# Altium PCB 0416.PcbDoc (part 1 of 3) (continued)
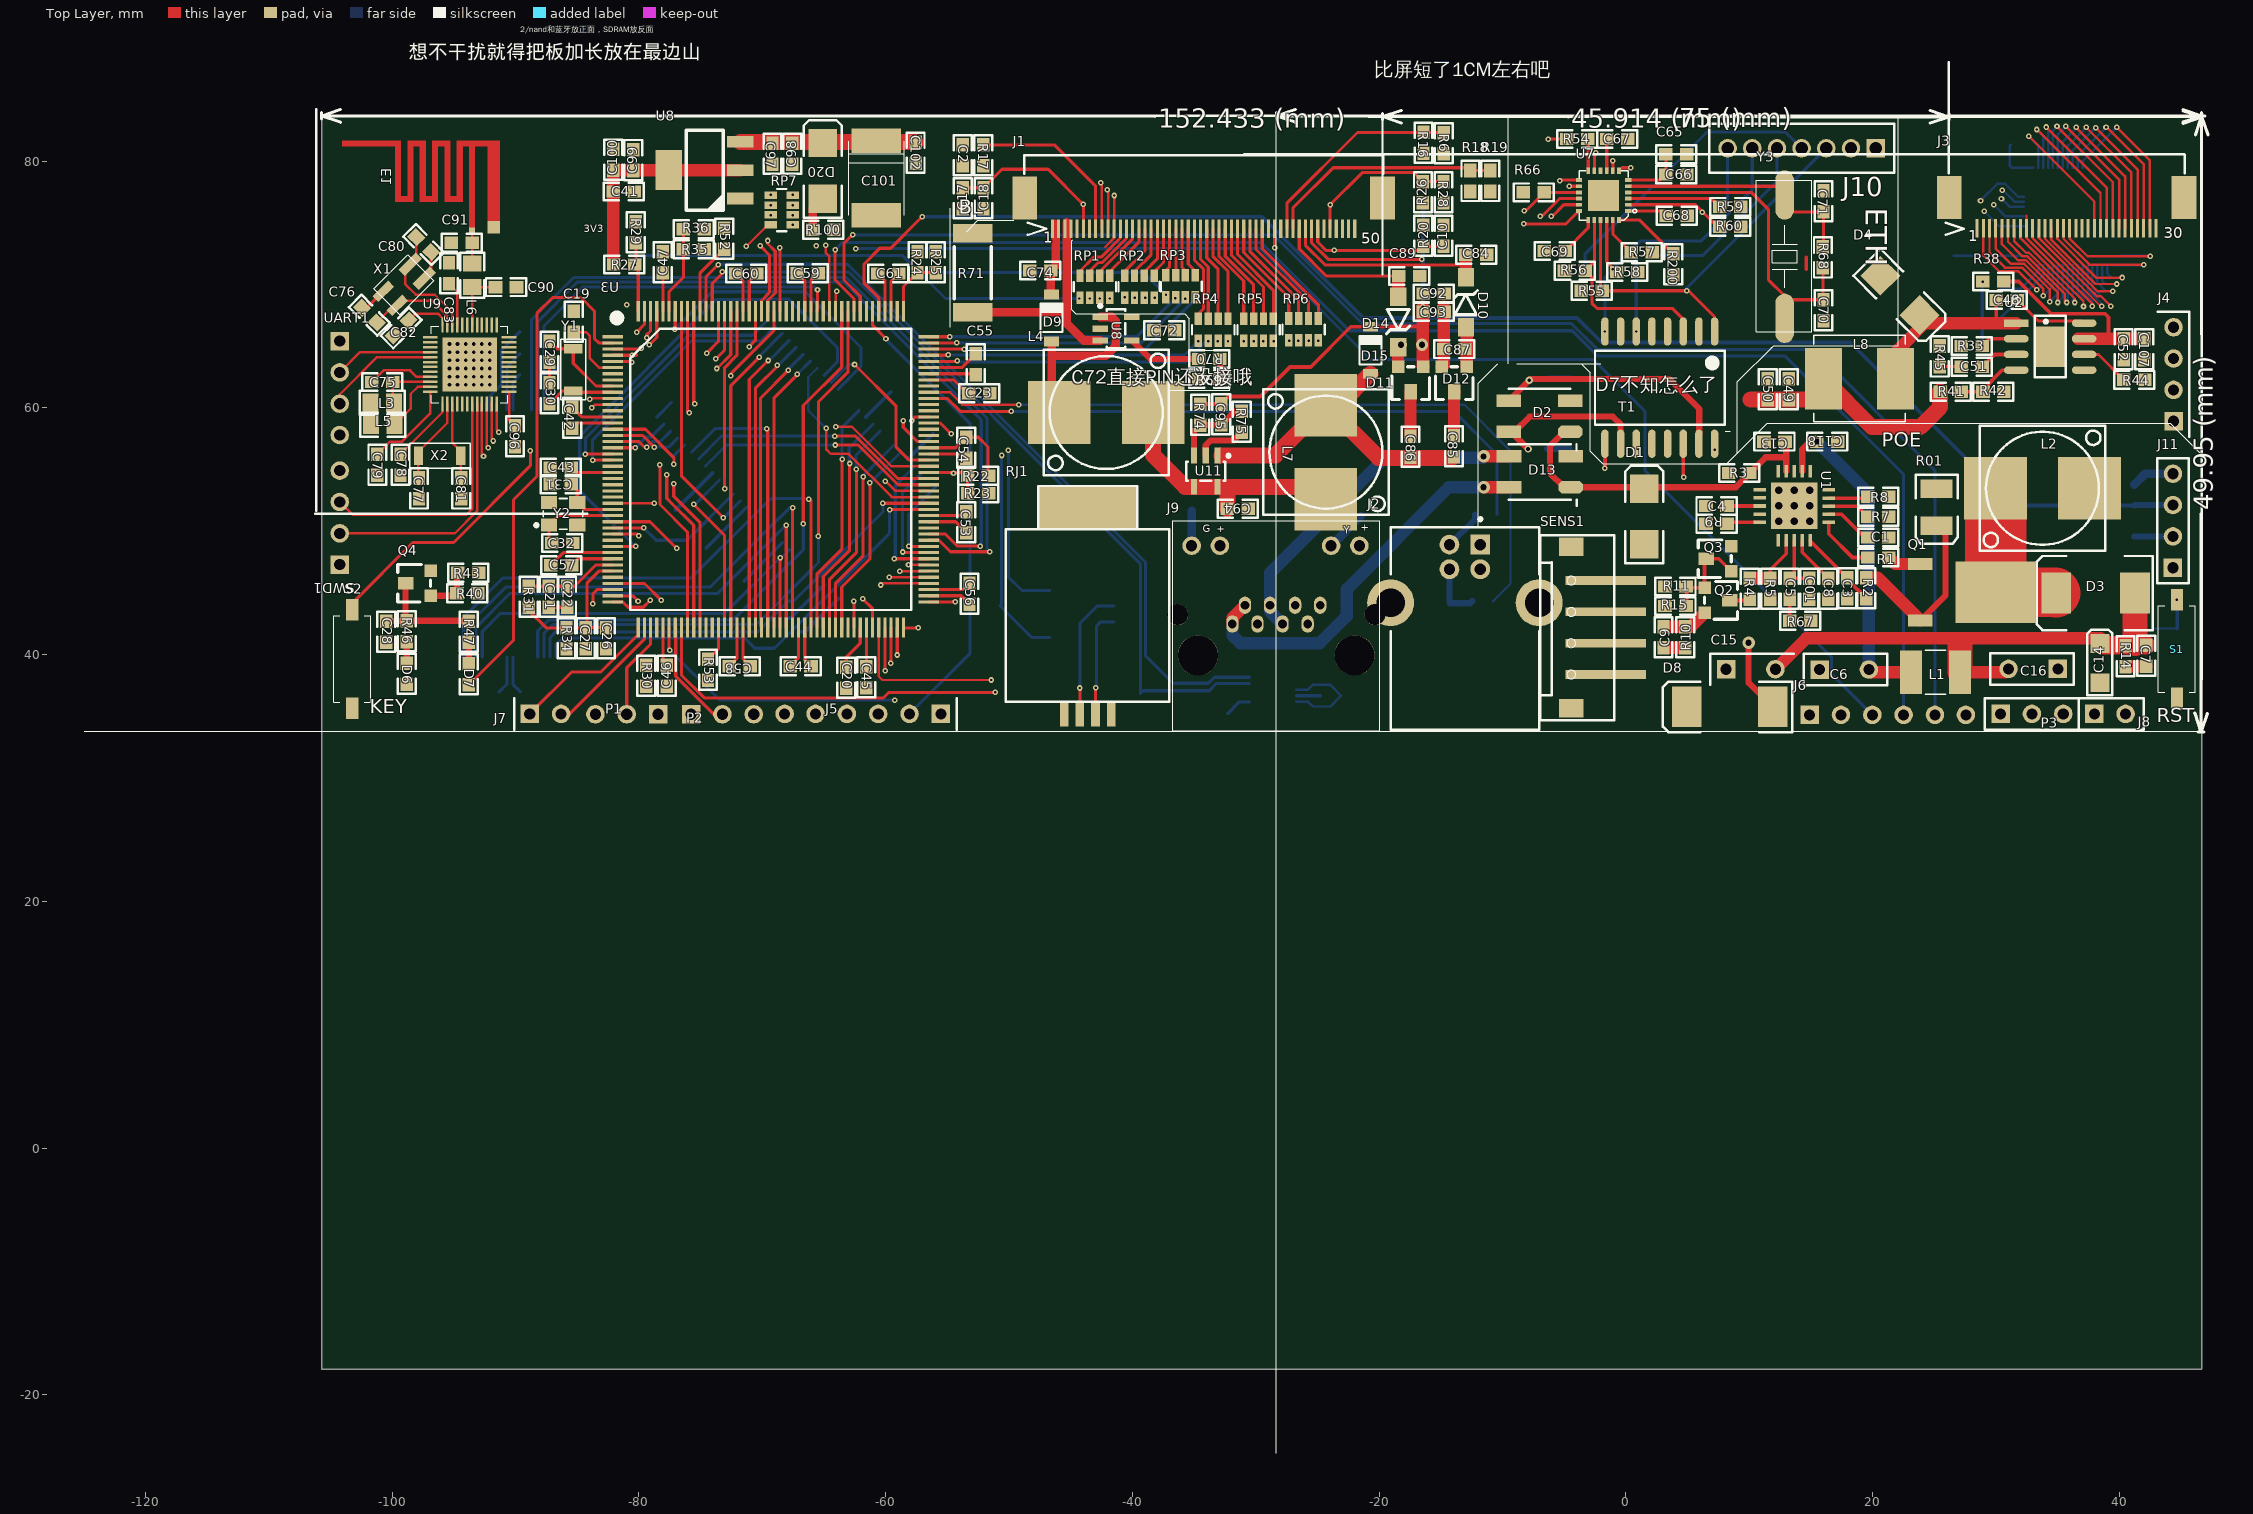
[diagram p0: Top Layer view]
## Components (designator, comment, footprint, x,y, rotation, side; value= is the part's Value field where it differs from the comment)
C01 "55PF" 0603T 14.875,46.2 r270 top
C1 "0.33UF" 0603T 19.625,49.5 r0 top
C2 "104" 0603T -53.75,81.325 r270 top
C3 "27PF" 0603T 17.95,46.225 r270 top
C4 "104" 0603T 8.2,52.05 r180 top
C5 "20PF" 0603T 13.275,46.2 r270 top
C6 "22UF/63V" CAP-SIP 15.7,38.8 r0 top
C7 "2K" 0603T 42.175,39.05 r90 top (schematic designator C7的标号接了个R)
C8 "180NF" 0603T 16.4,46.2 r270 top
C9 "104NC" 0603T 3.05,40.575 r90 top
C10 "104" 0603T -14.775,74.8 r270 top
C11 "104" 0603T -6.275,62.375 r180 bottom
C12 "104" 0603T -6.375,56.7 r180 bottom
C13 "104" 0603T 12.9,57.275 r180 top
C14 "1NF" 1206 38.425,39.375 r90 top
C15 "100UF/16V" CAP-SIP 8.125,38.825 r0 top
C16 "22UF/63V" CAP-SIP 35.025,38.85 r180 top
C17 "105" 0603T -53.75,76.15 r90 top
C18 "104" 0603T -52.075,76.15 r90 top
C19 "104" 0603T -85.275,66.15 r90 top
C20 "225" 0603T -63.2,37.275 r90 top
C21 "104" 0603T -87.3,43.85 r90 top
C22 "225" 0603T -85.825,43.85 r90 top
C23 "225" 0603T -51.55,61.2 r180 top
C24 "104" 0603T -89.625,37 r180 bottom
C25 "104" 0603T -89.65,62.7 r90 bottom
C26 "10uF" 0603T -82.675,40.5 r90 top
C27 "104" 0603T -84.3,40.475 r90 top
C28 "104" 0603T -100.475,41.025 r90 top
C29 "6PF" 0603T -87.25,65.425 r270 top
C30 "6PF" 0603T -87.25,60.35 r90 top
C31 "22PF" 0603T -85.5,53.825 r180 top
C32 "22PF" 0603T -85.375,49.05 r180 top
C33 "1uF/10V" 1206 29.675,81.325 r0 bottom
C34 "104" 0603T -67.85,40.5 r45 bottom
C35 "104" 0603T -69.15,41.75 r45 bottom
C36 "104" 0603T -72.725,44.8 r45 bottom
C37 "104" 0603T -75.75,47.45 r45 bottom
C38 "104" 0603T -77.9,61.775 r225 bottom
C39 "104" 0603T -58.375,62.575 r225 bottom
C40 "104" 0603T -54.9,59.125 r225 bottom
C41 "106" 0603T -82.075,77.55 r0 top
C42 "104" 0603T -85.4,60.05 r270 top
C43 "104" 0603T -87.175,55.175 r0 top
C44 "104" 0603T -67.75,39.075 r0 top
C45 "104" 0603T -61.575,37.325 r90 top
C46 "104" 0603T -77.75,37.45 r90 top
C47 "104" 0603T -78.075,72.65 r270 top
C48 "104" 0603T 31.725,68.75 r180 top
C49 "106" 0603T 13.2,62.375 r270 top
C50 "104" 0603T 11.5,62.375 r270 top
C51 "220P" 0603T 27.2,63.35 r0 top
C52 "104" 0603T 40.35,63.925 r90 top
C53 "104" 0603T -53.456,49.9 r90 top
C54 "104" 0603T -53.456,55.925 r90 top
C55 "104" 0603T -52.7,62.7 r90 top
C56 "104" 0603T -53.2,44.1 r90 top
C57 "104" 0603T -85.45,47.25 r180 top
C58 "104" 0603T -72.675,39.075 r0 top
C59 "104" 0603T -65.475,70.925 r180 top
C60 "104" 0603T -70.45,70.9 r180 top
C61 "104" 0603T -58.95,70.9 r180 top
C62 "1uF/10V" 1206 26.6,73.875 r270 bottom
C63 "1uF/10V" 1206 28.9,67.325 r0 bottom
C64 "1uF/10V" 1206 28.875,69.65 r0 bottom
C65 "104" 0603T 4.925,80.575 r180 top
C66 "106" 0603T 4.95,78.925 r180 top
C67 "104" 0603T 0.15,81.8 r180 top
C68 "104" 0603T 4.975,75.575 r180 top
C69 "104" 0603T -6.625,72.725 r0 top
C70 "22pF" 0603T 16.025,68.775 r270 top
C71 "22pF" 0603T 16.025,75.9 r90 top
C72 "106" 0603T -36.55,66.3 r180 top
C74 "105" 0603T -48.325,71.15 r0 top
C75 "1.0uF" 0603T -101.65,62.1 r0 top
C76 "12pF" 0603T -101.25,66.925 r135 top
C77 "12pF" 0603T -97.825,54.325 r270 top
C78 "100nF" 0603T -99.325,56.25 r270 top
C79 "4.7uF" 0603T -101.2,56.25 r270 top
C80 "12pF" 0603T -98.05,73.85 r315 top
C81 "12pF" 0603T -94.4,54.325 r270 top
C82 "100nF" 0603T -98.675,67.1 r225 top
C83 "100pF" 0603T -95.4,70.075 r90 top
C84 "105" 0603T -12.975,72.425 r0 top
C85 "105" 0603T -13.925,56.05 r90 top
C86 "105" 0603T -17.45,57.7 r270 top
C87 "4.7UF" 0603T -14.775,64.775 r0 top
C88 "105" 0603T -18.225,65.125 r0 bottom
C89 "4.7UF" 0603T -16.7,70.7 r180 top
C90 "0.8pF" 0603T -89.925,69.8 r180 top
C91 "1.2pF" 0603T -95.225,73.4 r0 top
C92 "104" 0603T -14.725,69.275 r180 top
C93 "106" 0603T -14.725,67.8 r180 top
C94 "106" 0603T -30.6,51.825 r180 top
C95 "22P" 0603T -32.8,60.325 r270 top
C96 "100nF" 0603T -90.05,58.55 r270 top
C97 "100nF" 0603T -69.175,79.75 r90 top
C98 "10uF" 0603T -67.575,81.45 r270 top
C99 "10uF" 0603T -80.45,80.95 r270 top
C100 "100nF" 0603T -82.075,80.975 r270 top
C101 "220uF" 7343E型 -60.75,78.625 r270 top
C102 "100nF" 0603T -57.575,79.825 r90 top
C107 "106" 0603T 42.025,63.925 r90 top
C110 "104" 0603T 44.7,40.4 r90 bottom
C116 "2.2n" 0603T -32.425,35.225 r180 bottom
C117 "104" 0603T -23.075,36.675 r180 bottom
C118 "104" 0603T 17.175,57.275 r180 top
D1 "1718RG" SMB 1.5,51.2 r90 top
D2 "MB6S" SOP-4 -4.5,58.075 r180 top
D3 "SS56" SMC#1 38.075,45 r180 top
D4 "SS34" SMB 22.225,69.125 r315 top
D6 "电源指示灯" 0603T -98.825,39.3 r270 top
D7 "LED指示灯" 0603T -93.8,39.25 r270 top
D8 "SS14" SMC#2 8.425,35.775 r180 top
D9 "MBR0520" SOD-123 -46.55,67.3 r270 top
D10 "ZMM3V9" DIODE_ZMMx -12.975,68.575 r90 top
D11 "BAT54S" SOT-23 -17.45,62.325 r180 top
D12 "BAT54S" SOT-23 -13.9,62.325 r180 top
D13 "MB6S" SOP-4 -4.475,53.575 r180 top
D14 "ZMM4V7" DIODE_ZMMx -18.45,66.975 r270 top
D15 "MBR0520" SOD-123 -20.7,64.675 r270 top
D20 "IN4733" SMB -65.1,79.225 r90 top
E1 "Antenna" ANT2.4G2 -93.525,74.4 r90 top
J1 "TFTLCD" FPC-TOP50 -46.475,74.525 r0 top locked
J2 "USB_B型" USB2.5-2H4D -13.05,47.925 r270 top locked
J3 "TP插座" FPC-TOP30 28.475,74.55 r0 top locked
J4 "Header 4" HDR1X4 44.4,58.925 r90 top
J5 "SPI1" HDR1X6 -55.525,35.2 r180 top
J6 "SPI2" HDR1X6 14.9,35.125 r0 top
J7 "Header 2" HDR1X2 -88.85,35.2 r0 top
J8 "Header 2" HDR1X2 37.975,35.2 r0 top
J9 "RJ45" RJ45 -26.125,41.8 r180 top locked
J10 "Header 7" PH2.0立直-7PIN 20.25,81.05 r180 top
J11 "SWD" HDR1X4 44.35,47.05 r90 top
L1 "10UH" 4*4电感 25.1,38.575 r0 top
L2 "33UH" L10*10 33.8,52.525 r0 top
L3 "15nH" CL-0805 -100.8,60.425 r180 top
L4 "Inductor" L10*10 -42.15,60.6 r180 top
L5 "10uH" CL-0805 -100.775,58.625 r0 top
L6 "3.9nH" CL-0805 -93.525,70.75 r90 top
L7 "Inductor" L10*10 -23.35,56.45 r90 top
L8 "Inductor" 6*6电感 18.95,62.375 r0 top
P1 "AD1" HDR1X3 -78.45,35.175 r180 top
P2 "AD2" HDR1X3 -75.775,35.175 r0 top
P3 "AD3" HDR1X3 30.375,35.2 r0 top
Q1 "STU15L01" TO-252AA(D-PAK) 23.875,47.35 r270 top
Q2 "S9012" SOT-23 7.4,44.4 r270 top
Q3 "S9012" SOT-23 7.525,47.775 r90 top
Q4 "SI2301PMOS" SOT-23 -97.9,45.8 r90 top
R01 "0.18" 3.5X2.8X1.9 25.2,51.95 r270 top
R1 "10R" 0603T 21.325,47.875 r180 top
R2 "100R" 0603T 19.5,46.25 r270 top
R3 "26.7K精密电阻42C" 0603T 10.05,54.725 r180 top
R4 "120K" 0603T 10.05,46.2 r270 top
R5 "15K" 0603T 11.7,44.5 r90 top
R6 "Res2" 0603T -14.75,82.325 r270 top
R7 "53.6K精密电阻71C" 0603T 21.325,51.175 r180 top
R8 "10R" 0603T 21.3,52.8 r180 top
R9 "63.4K精密电阻" 0603T 6.5,50.625 r0 top
R10 "120K" 0603T 4.825,42.275 r270 top
R11 "150K" 0603T 3.175,45.525 r0 top
R12 "75R" 0603T -2.8,62.375 r180 bottom
R13 "75R" 0603T -2.875,56.7 r180 bottom
R14 "3K" 0603T 40.5,39.025 r90 top
R15 "不焊并联的" 0603T 3.175,43.95 r0 top
R16 "Res2" 0603T -16.4,82.35 r270 top
R17 "Res2" 0603T -52.1,79.625 r90 top
R18 "Res2" 0603T -12.6,79.25 r270 top
R19 "Res2" 0603T -11,79.25 r270 top
R20 "Res2" 0603T -16.425,74.8 r270 top
R21 "Res2" 0603T 42.725,42.125 r180 bottom
R22 "Res2" 0603T -53.356,54.5 r0 top
R23 "Res2" 0603T -53.356,53.075 r0 top
R24 "Res2" 0603T -57.425,70.975 r90 top
R25 "Res2" 0603T -55.95,70.975 r90 top
R26 "Res2" 0603T -16.45,78.35 r270 top
R27 "Res2" 0603T -80.35,71.625 r180 top
R28 "Res2" 0603T -14.775,78.35 r270 top
R29 "Res2" 0603T -80.25,73.4 r90 top
R30 "10K" 0603T -79.4,37.45 r90 top
R31 "Res2" 0603T -88.925,43.85 r90 top
R32 "Res2" 0603T -95.075,37.25 r180 bottom
R33 "100K" 0603T 28.9,65.025 r180 top
R34 "Res2" 0603T -85.875,40.475 r90 top
R35 "Res2" 0603T -74.7,72.875 r180 top
R36 "Res2" 0603T -74.7,74.5 r180 top
R37 "Res2" 0603T -89.65,67.875 r270 bottom
R38 "100K" 0603T 28.925,70.25 r0 top
R39 "Res2" 0603T -86.7,63.275 r0 bottom
R40 "Res2" 0603T -94.75,44.975 r0 top
R41 "44.2K" 0603T 27.175,61.325 r180 top
R42 "8.2K" 0603T 28.95,61.325 r0 top
R43 "Res2" 0603T -93,46.65 r180 top
R44 "100K" 0603T 40.375,62.275 r0 top
R45 "100K" 0603T 25.45,63.325 r90 top
R46 "Res2" 0603T -98.825,42.75 r270 top
R47 "Res2" 0603T -93.8,42.7 r270 top
R48 "Res2" 0603T 41.2,49.575 r270 bottom
R49 "Res2" 0603T -78.225,50.525 r45 bottom
R50 "Res2" 0603T 41.225,53.8 r270 bottom
R51 "Res2" 0603T 31.125,79.65 r180 bottom
R52 "Res2" 0603T -73.075,74.575 r270 top
R53 "Res2" 0603T -74.4,37.925 r90 top
R54 "510R" 0603T -3.1,81.8 r180 top
R55 "Res2" 0603T -3.625,69.5 r0 top
R56 "Res2" 0603T -4.975,71.125 r0 top
R57 "Res2" 0603T 2.125,72.625 r180 top
R58 "Res2" 0603T 0.975,71.025 r180 top
R59 "Res2" 0603T 9.3,76.3 r180 top
R60 "Res2" 0603T 9.3,74.7 r180 top
R61 "22R" 0603T -10.45,51.375 r180 bottom
R62 "22R" 0603T -10.75,44.35 r180 bottom
R63 "Res2" 0603T -21.5,51.225 r0 bottom
R64 "Res2" 0603T -35.175,51.675 r180 bottom
R65 "1.5K" 0603T -14.25,42.475 r90 bottom
R66 "160R" 0603T -6.6,77.475 r180 top
R67 "12.1K" 0603T 14.975,42.75 r180 top
R68 "Res2" 0603T 15.975,73.05 r270 top
R69 "Res2" 0603T -32.925,62.35 r180 top
R70 "Res2" 0603T -32.925,63.975 r180 top
R71 "Res2" 2512公制6432 -52.95,74.15 r270 top
R73 "120" 0603T -44.4,39.6 r0 bottom
R74 "Res2" 0603T -34.5,60.3 r270 top
R75 "Res2" 0603T -31.125,59.725 r270 top
R81 "3.3K" 0603T -39.35,35.15 r90 bottom
R82 "3.3K" 0603T -37.75,40.425 r270 bottom
R100 "160R" 0603T -65.9,74.45 r0 top
R200 "12.1K" 0603T 3.85,72.5 r270 top
RJ1 "RJ11" CAN接口 -43.625,43.175 r0 top
RP1 "47R" 8P4R_0603 -44.25,68.95 r90 top locked
RP2 "47R" 8P4R_0603 -40.625,68.925 r90 top
RP3 "47R" 8P4R_0603 -37.3,68.975 r90 top
RP4 "47R" 8P4R_0603 -34.65,65.45 r90 top locked
RP5 "47R" 8P4R_0603 -30.975,65.45 r90 top locked
RP6 "47R" 8P4R_0603 -27.325,65.475 r90 top locked
RP7 "47R" 8P4R_0603 -69.325,77.25 r0 top
S1 "SW-PB" KEY3*6 44.675,40.45 r90 top
S2 "SW-PB" KEY3*6 -103.25,39.65 r270 top
SENS1 "SENS" 传感器接口 -3.925,42.2 r270 top
SWD1 "JTAG" HDR1X4 -104.25,47.3 r90 top
T1 "11FB-05NL" SOIC16 2.75,61.65 r270 top
U1 "AS1138" QFN20-0.65BSC-PAD 14.95,54.875 r270 top locked
U2 "MP1584EN顺序" SOIC8-PAD 34.4,64.975 r0 top
U3 "STM32F429IGT6" LQFP176 -82.125,65.775 r0 top locked
U4 "MT29F1G08" TSOP48 -96.2,59.825 r270 bottom locked
U5 "W9825G6KH-6" TSOP54 -63.85,44.55 r45 bottom locked
U6 "FT5406EE8" QFN68-0.4mm 36.225,75.525 r180 bottom
U7 "LAN8720A" QFN24 -0.55,75.225 r180 top
U8 "MP3302DJ" SOT-23-5 -42.6,67.375 r0 top
U8 "AMS1117-3.3V" SOT-223 -74.675,79.275 r90 top
U9 "nRF52832-QFAA" QFN48 -93.725,63.525 r90 top
U10 "TJA1050" SO-8 -44.075,43.3 r90 bottom
U11 "TPS61040" SOT-23-5 -33.1,56.15 r270 top
U12 "MPU6050" QFN20-0.5BSC-PAD -30.5,35.675 r270 bottom
UART1 "UART" HDR1X4 -104.25,65.425 r270 top
X1 "32MHz" 3225晶振贴片 -99.1,69.95 r45 top
X2 "32.768kHz" 3215贴片晶振32.768K -97.875,56.125 r0 top
Y1 "32.768K" 3215贴片晶振32.768K -85.325,61.375 r90 top
Y2 "25Mhz" XTAL3225 -87.3,50.5 r0 top
Y3 "25M" X-HC49-SMT 12.875,77.269 r270 top

## Footprints (in the part's own frame and the unit in brackets; to place one, negate y for a bottom-side part, rotate by r counter-clockwise, add the part's x,y. Pads: shape width x height; smd on the part's side, far side on the other; paste and mask are expansions set on the pad)
3.5X2.8X1.9 [mm] "SM LED; 2 C-Bend Leads; Body 3.5 x 2.8 x 1.9 mm, inc leads (LxWxH typ)"
  rect 1.5x2.6 smd: 1(-1.5,0) 2(1.5,0)
  silkscreen extent -2.65,-1.7 2.95,1.7
4*4电感 [mm]
  rect 1.8x3.5 smd: 1(-1.981,0) 2(1.981,0)
  silkscreen extent -0.84,-1.78 0.84,1.8
6*6电感 [mm]
  rect 3x5 smd: 1(-2.921,0) 2(2.921,0)
  silkscreen extent -3.71,-3.51 3.71,3.51
8P4R_0603 [mm]
  rect 1.016x0.6 smd: 1(0,0) 2(1.778,0) 3(0,-0.8) 4(1.778,-0.8) 5(0,-1.6) 6(1.778,-1.6) 7(0,-2.4) 8(1.778,-2.4)
  silkscreen extent 0.51,-2.92 1.27,0.51
0603T [mm]
  rect 1.1x1 smd: 1(0,0) 2(1.7,0)
  silkscreen extent -0.77,-0.72 2.47,0.72
1206 [mil]
  rect 60x60 smd: 1(-65,0) 2(60,0)
  silkscreen extent -105,-40 105,40
2512公制6432 [mm]
  rect 1.5x3.2 smd: 1(0,0) 2(6.4,0)
  silkscreen extent 1.1,-1.5 5.3,1.5
3215贴片晶振32.768K [mm]
  rect 0.75x1.5 smd: 1(0,0) 2(3.429,0)
  silkscreen extent -0.7,-1 4.19,1
3225晶振贴片 [mm]
  rect 2x0.7 smd: 1(1.6,0.8) 4(1.6,-0.8)
  rect 1.8x0.7 smd: 2(-1.5,0.8) 3(-1.5,-0.8)
  silkscreen extent -1.9,-1.5 2,1.5
7343E型 [mm]
  rect 2x4 smd: 1(-3.05,0) 2(3,0)
  silkscreen extent -3,-2.25 3,2.25
ANT2.4G2 [mm]
  rect 0.5x0.5 smd: 1(0,0)
  rect 1x1 smd paste+0 mask+0: 2(0.25,-1.75)
  Top Layer region: 6.8,5.75 7.3,5.75 7.3,10.55 6.8,10.55
  Top Layer region: 2.3,5 2.8,5 2.8,6 2.3,6
  Top Layer region: 6.8,3.75 7.3,3.75 7.3,5.25 6.8,5.25
  Top Layer region: 2.3,3 2.8,3 2.8,4 2.3,4
  Top Layer region: 6.8,1.75 7.3,1.75 7.3,3.25 6.8,3.25
  Top Layer region: 2.3,1 2.8,1 2.8,2 2.3,2
  Top Layer region: 0.75,-2.25 7.3,-2.25 7.3,-1.25 0.75,-1.25
  Top Layer region: 0.2,-0.25 7,-0.25 7,0.25 0.2,0.25
  Top Layer region: 6.8,-1.5 7.3,-1.5 7.3,1.25 6.8,1.25
  Top Layer region: 2.3,0.75 7,0.75 7,1.25 2.3,1.25
  Top Layer region: 2.3,1.75 7,1.75 7,2.25 2.3,2.25
  Top Layer region: 2.3,2.75 7,2.75 7,3.25 2.3,3.25
  Top Layer region: 2.3,3.75 7,3.75 7,4.25 2.3,4.25
  Top Layer region: 2.3,4.75 7,4.75 7,5.25 2.3,5.25
  Top Layer region: 2.3,5.75 7,5.75 7,6.25 2.3,6.25
CAN接口 [mm]
  rect 0.7x2 smd: 1(-1.905,-8) 2(-0.635,-8) 3(0.635,-8) 4(1.905,-8)
  rect 8x3.5 smd: 5(0.072,8.824)
  silkscreen extent -6.62,-7 6.63,10.5
CAP-SIP [mm]
  rect 1.5x1.5 hole 0.9: 1(0,0)
  round 1.5 hole 0.9: 2(4,0)
  silkscreen extent -1.27,-1.27 5.5,1.27
CL-0805 [mm]
  rect 1.3x1.5 smd: 1(-0.95,0) 2(0.95,0)
  silkscreen extent -1.82,-0.97 1.82,0.97
DIODE_ZMMx [mm]
  rect 1.5x1.3 smd: 1(-2.032,0) 2(2.032,0)
  silkscreen extent -1.02,-0.95 0.95,0.95
FPC-TOP30 [mm]
  rect 0.25x1.5 smd: 1(0.003,0) 2(0.503,0) 3(1.003,0) 4(1.503,0) 5(2.003,0) 6(2.503,0) 7(3.003,0) 8(3.503,0) 9(4.003,0) 10(4.503,0) 11(5.003,0) 12(5.503,0) 13(6.003,0) 14(6.503,0) 15(7.003,0) 16(7.503,0) 17(8.003,0) 18(8.503,0) 19(9.003,0) 20(9.503,0) 21(10.003,0) 22(10.503,0) 23(11.003,0) 24(11.503,0) 25(12.003,0) 26(12.503,0) 27(13.003,0) 28(13.503,0) 29(14.003,0) 30(14.503,0)
  rect 2x3.5 smd: A(-2.25,2.5) B(16.768,2.5)
  silkscreen extent -2.54,-0.5 16.81,6
FPC-TOP50 [mm]
  rect 0.25x1.5 smd: 1(0,0) 2(0.5,0) 3(1,0) 4(1.5,0) 5(2,0) 6(2.5,0) 7(3,0) 8(3.5,0) 9(4,0) 10(4.5,0) 11(5,0) 12(5.5,0) 13(6,0) 14(6.5,0) 15(7,0) 16(7.5,0) 17(8,0) 18(8.5,0) 19(9,0) 20(9.5,0) 21(10,0) 22(10.5,0) 23(11,0) 24(11.5,0) 25(12,0) 26(12.5,0) 27(13,0) 28(13.5,0) 29(14,0) 30(14.5,0) 31(15,0) 32(15.5,0) 33(16,0) 34(16.5,0) 35(17,0) 36(17.5,0) 37(18,0) 38(18.5,0) 39(19,0) 40(19.5,0) 41(20,0) 42(20.5,0) 43(21,0) 44(21.5,0) 45(22,0) 46(22.5,0) 47(23,0) 48(23.5,0) 49(24,0) 50(24.5,0)
  rect 2x3.5 smd: A(-2.25,2.5) B(26.75,2.5)
  silkscreen extent -2.29,-0.5 26.8,5.97
HDR1X2 [mm]
  rect 1.5x1.5 hole 0.9: 1(0,0)
  round 1.5 hole 0.9: 2(2.54,0)
  silkscreen extent -1.27,-1.27 -1.27,1.27
HDR1X3 [mm]
  rect 1.5x1.5 hole 0.9: 1(0,0)
  round 1.5 hole 0.9: 2(2.54,0) 3(5.08,0)
HDR1X4 [mm] "Connector; Header; 4 Position"
  rect 1.5x1.5 hole 0.9: 1(0,0)
  round 1.5 hole 0.9: 2(2.54,0) 3(5.08,0) 4(7.62,0)
  silkscreen extent -1.27,-1.27 8.89,1.27
HDR1X6 [mm]
  rect 1.5x1.5 hole 0.9: 1(0,0)
  round 1.5 hole 0.9: 2(2.54,0) 3(5.08,0) 4(7.62,0) 5(10.16,0) 6(12.66,0)
  silkscreen extent -1.27,-1.27 -1.27,1.27
KEY3*6 [mm]
  rect 1.75x1 smd: 1(4,0) 2(-4,0)
  silkscreen extent -3.5,-1.5 3.5,1.5
L10*10 [mm]
  rect 5.08x5.08 smd: 1(-3.838,0.968) 2(3.782,0.968)
  silkscreen extent -5.11,-4.11 5.05,6.05
LQFP176 [mm]
  rect 1.65x0.254 smd: 1(0,0) 2(0,-0.5) 3(0,-1) 4(0,-1.5) 5(0,-2) 6(0,-2.5) 7(0,-3) 8(0,-3.5) 9(0,-4) 10(0,-4.5) 11(0,-5) 12(0,-5.5) 13(0,-6) 14(0,-6.5) 15(0,-7) 16(0,-7.5) 17(0,-8) 18(0,-8.5) 19(0,-9) 20(0,-9.5) 21(0,-10) 22(0,-10.5) 23(0,-11) 24(0,-11.5) 25(0,-12) 26(0,-12.5) 27(0,-13) 28(0,-13.5) 29(0,-14) 30(0,-14.5) 31(0,-15) 32(0,-15.5) 33(0,-16) 34(0,-16.5) 35(0,-17) 36(0,-17.5) 37(0,-18) 38(0,-18.5) 39(0,-19) 40(0,-19.5) 41(0,-20) 42(0,-20.5) 43(0,-21) 44(0,-21.5) 89(25.631,-21.5) 90(25.631,-21) 91(25.631,-20.5) 92(25.631,-20) 93(25.631,-19.5) 94(25.631,-19) 95(25.631,-18.5) 96(25.631,-18) 97(25.631,-17.5) 98(25.631,-17) 99(25.631,-16.5) 100(25.631,-16) 101(25.631,-15.5) 102(25.631,-15) 103(25.631,-14.5) 104(25.631,-14) 105(25.631,-13.5) 106(25.631,-13) 107(25.631,-12.5) 108(25.631,-12) 109(25.631,-11.5) 110(25.631,-11) 111(25.631,-10.5) 112(25.631,-10) 113(25.631,-9.5) 114(25.631,-9) 115(25.631,-8.5) 116(25.631,-8) 117(25.631,-7.5) 118(25.631,-7) 119(25.631,-6.5) 120(25.631,-6) 121(25.631,-5.5) 122(25.631,-5) 123(25.631,-4.5) 124(25.631,-4) 125(25.631,-3.5) 126(25.631,-3) 127(25.631,-2.5) 128(25.631,-2) 129(25.631,-1.5) 130(25.631,-1) 131(25.631,-0.5) 132(25.631,0)
  rect 0.254x1.65 smd: 45(2.065,-23.566) 46(2.566,-23.566) 47(3.066,-23.566) 48(3.565,-23.566) 49(4.066,-23.566) 50(4.565,-23.566) 51(5.066,-23.566) 52(5.565,-23.566) 53(6.066,-23.566) 54(6.565,-23.566) 55(7.066,-23.566) 56(7.565,-23.566) 57(8.066,-23.566) 58(8.565,-23.566) 59(9.066,-23.566) 60(9.565,-23.566) 61(10.066,-23.566) 62(10.565,-23.566) 63(11.066,-23.566) 64(11.565,-23.566) 65(12.066,-23.566) 66(12.565,-23.566) 67(13.066,-23.566) 68(13.565,-23.566) 69(14.066,-23.566) 70(14.565,-23.566) 71(15.065,-23.566) 72(15.566,-23.566) 73(16.065,-23.566) 74(16.566,-23.566) 75(17.065,-23.566) 76(17.566,-23.566) 77(18.065,-23.566) 78(18.566,-23.566) 79(19.065,-23.566) 80(19.566,-23.566) 81(20.065,-23.566) 82(20.566,-23.566) 83(21.065,-23.566) 84(21.566,-23.566) 85(22.065,-23.566) 86(22.566,-23.566) 87(23.065,-23.566) 88(23.566,-23.566) 133(23.566,2.065) 134(23.065,2.065) 135(22.566,2.065) 136(22.065,2.065) 137(21.566,2.065) 138(21.065,2.065) 139(20.566,2.065) 140(20.065,2.065) 141(19.566,2.065) 142(19.065,2.065) 143(18.566,2.065) 144(18.065,2.065) 145(17.566,2.065) 146(17.065,2.065) 147(16.566,2.065) 148(16.065,2.065) 149(15.566,2.065) 150(15.066,2.065) 151(14.565,2.065) 152(14.066,2.065) 153(13.565,2.065) 154(13.066,2.065) 155(12.565,2.065) 156(12.066,2.065) 157(11.565,2.065) 158(11.066,2.065) 159(10.565,2.065) 160(10.066,2.065) 161(9.565,2.065) 162(9.066,2.065) 163(8.565,2.065) 164(8.066,2.065) 165(7.565,2.065) 166(7.066,2.065) 167(6.565,2.065) 168(6.066,2.065) 169(5.565,2.065) 170(5.066,2.065) 171(4.565,2.065) 172(4.066,2.065) 173(3.565,2.065) 174(3.066,2.065) 175(2.566,2.065) 176(2.065,2.065)
  silkscreen extent 0.04,-22.15 24.22,1.82
PH2.0立直-7PIN [mm]
  rect 1.5x1.5 hole 1: 1(0,0)
  round 1.5 hole 1: 2(2,0) 3(4,0) 4(6,0) 5(8,0) 6(10,0) 7(12,0)
  silkscreen extent -1.5,-2 13.5,2
QFN20-0.5BSC-PAD [mm]
  rect 2.6x2.6 smd: 0(-1.25,-1.9)
  rect 0.5x0.3 smd: 1(-3.15,-0.65) 2(-3.15,-1.15) 3(-3.15,-1.65) 4(-3.15,-2.15) 5(-3.15,-2.65) 6(-3.15,-3.15) 13(0.65,-3.15) 14(0.65,-2.65) 15(0.65,-2.15) 16(0.65,-1.65) 17(0.65,-1.15) 18(0.65,-0.65)
  rect 0.3x0.5 smd: 7(-2.5,-3.8) 8(-2,-3.8) 9(-1.5,-3.8) 10(-1,-3.8) 11(-0.5,-3.8) 12(0,-3.8) 19(0,0) 20(-0.5,0) 21(-1,0) 22(-1.5,0) 23(-2,0) 24(-2.5,0)
  silkscreen extent -3.25,-3.9 0.75,0.1
QFN20-0.65BSC-PAD [mm]
  rect 3.8x3.8 smd: 0(2.8,-1.3)
  rect 1x0.3 smd: 1(0,0) 2(0,-0.65) 3(0,-1.3) 4(0,-1.95) 5(0,-2.6) 11(5.6,-2.6) 12(5.6,-1.95) 13(5.6,-1.3) 14(5.6,-0.65) 15(5.6,0)
  rect 0.3x1 smd: 6(1.5,-4.1) 7(2.162,-4.1) 8(2.825,-4.1) 9(3.487,-4.1) 10(4.15,-4.1) 16(4.15,1.5) 17(3.5,1.5) 18(2.85,1.5) 19(2.2,1.5) 20(1.5,1.5)
QFN24 [mm]
  rect 0.5x0.3 smd: 1(-0.75,-0.75) 2(-0.75,-1.25) 3(-0.75,-1.75) 4(-0.75,-2.25) 5(-0.75,-2.75) 6(-0.75,-3.25) 13(3.25,-3.25) 14(3.25,-2.75) 15(3.25,-2.25) 16(3.25,-1.75) 17(3.25,-1.25) 18(3.25,-0.75)
  rect 0.3x0.5 smd: 7(0,-4) 8(0.5,-4) 9(1,-4) 10(1.5,-4) 11(2,-4) 12(2.5,-4) 19(2.5,0) 20(2,0) 21(1.5,0) 22(1,0) 23(0.5,0) 24(0,0)
  rect 2.5x2.5 smd: 25(1.25,-2)
  silkscreen extent -1.42,-4 3.23,0.01
QFN48 [mm]
  rect 1.2x0.2 smd: 1(-3.2,2.2) 2(-3.2,1.8) 3(-3.2,1.4) 4(-3.2,1) 5(-3.2,0.6) 6(-3.2,0.2) 7(-3.2,-0.2) 8(-3.2,-0.6) 9(-3.2,-1) 10(-3.2,-1.4) 11(-3.2,-1.8) 12(-3.2,-2.2) 25(3.2,-2.2) 26(3.2,-1.8) 27(3.2,-1.4) 28(3.2,-1) 29(3.2,-0.6) 30(3.2,-0.2) 31(3.2,0.2) 32(3.2,0.6) 33(3.2,1) 34(3.2,1.4) 35(3.2,1.8) 36(3.2,2.2)
  rect 0.2x1.2 smd: 13(-2.2,-3.2) 14(-1.8,-3.2) 15(-1.4,-3.2) 16(-1,-3.2) 17(-0.6,-3.2) 18(-0.2,-3.2) 19(0.2,-3.2) 20(0.6,-3.2) 21(1,-3.2) 22(1.4,-3.2) 23(1.8,-3.2) 24(2.2,-3.2) 37(2.2,3.2) 38(1.8,3.2) 39(1.4,3.2) 40(1,3.2) 41(0.6,3.2) 42(0.2,3.2) 43(-0.2,3.2) 44(-0.6,3.2) 45(-1,3.2) 46(-1.4,3.2) 47(-1.8,3.2) 48(-2.2,3.2)
  rect 4.4x4.4 smd: 49(0,0)
  Top Layer pour cut-out: -3,3 3,3 3,-3 -3,-3
  silkscreen extent -3.1,-3.1 3.1,3.1
QFN68-0.4mm [mm]
  rect 0.85x0.2 smd: 1(-3.95,3.2) 2(-3.95,2.8) 3(-3.95,2.4) 4(-3.95,2) 5(-3.95,1.6) 6(-3.95,1.2) 7(-3.95,0.8) 8(-3.95,0.4) 9(-3.95,0) 10(-3.95,-0.4) 11(-3.95,-0.8) 12(-3.95,-1.2) 13(-3.95,-1.6) 14(-3.95,-2) 15(-3.95,-2.4) 16(-3.95,-2.8) 17(-3.95,-3.2) 35(3.95,-3.2) 36(3.95,-2.8) 37(3.95,-2.4) 38(3.95,-2) 39(3.95,-1.6) 40(3.95,-1.2) 41(3.95,-0.8) 42(3.95,-0.4) 43(3.95,0) 44(3.95,0.4) 45(3.95,0.8) 46(3.95,1.2) 47(3.95,1.6) 48(3.95,2) 49(3.95,2.4) 50(3.95,2.8) 51(3.95,3.2)
  rect 0.2x0.85 smd: 18(-3.2,-3.95) 19(-2.8,-3.95) 20(-2.4,-3.95) 21(-2,-3.95) 22(-1.6,-3.95) 23(-1.2,-3.95) 24(-0.8,-3.95) 25(-0.4,-3.95) 26(0,-3.95) 27(0.4,-3.95) 28(0.8,-3.95) 29(1.2,-3.95) 30(1.6,-3.95) 31(2,-3.95) 32(2.4,-3.95) 33(2.8,-3.95) 34(3.2,-3.95) 52(3.2,3.95) 53(2.8,3.95) 54(2.4,3.95) 55(2,3.95) 56(1.6,3.95) 57(1.2,3.95) 58(0.8,3.95) 59(0.4,3.95) 60(0,3.95) 61(-0.4,3.95) 62(-0.8,3.95) 63(-1.2,3.95) 64(-1.6,3.95) 65(-2,3.95) 66(-2.4,3.95) 67(-2.8,3.95) 68(-3.2,3.95)
  rect 6x6 smd: 69(0,0)
  silkscreen extent -5.07,-4 4,4
RJ45 [mm]
  round 1.7 hole 1.7: 0(-5.791,-1.448) 0(10.211,-1.448)
  round 3.25 hole 3.25: 0(-4.14,1.854) 0(8.56,1.854)
  oval 1x1.4 hole 0.7: 1(-1.346,-2.21) 2(-0.33,-0.686) 3(0.686,-2.21) 4(1.702,-0.686) 5(2.718,-2.21) 6(3.734,-0.686) 7(4.75,-2.21) 8(5.766,-0.686)
  round 1.5 hole 0.9: 9(6.782,-7.036) 10(9.068,-7.036) 11(-2.235,-7.036) 12(-4.521,-7.036)
  silkscreen extent -6.17,-9.07 10.59,7.95
SMB [mm] "DO-214-AA/SMB; 2 C-Bend Leads; Body 5.3 x 3.6 mm, inc. leads (LxW)"
  rect 2.3x2.3 smd: 1(-2.25,0) 2(2.25,0)
  silkscreen extent -3.8,-1.55 4.1,1.55
SMC#1 [mm] "DO-214-AB/SMC; 2 C-Bend Leads; Body 7.9 x 5.9 mm, inc. leads (LxW)"
  rect 2.4x3.3 smd: 1(-3.2,0) 2(3.2,0)
  silkscreen extent -4.62,-3 4.75,3
SMC#2 [mm] "DO-214-AB/SMC; 2 C-Bend Leads; Body 7.9 x 5.9 mm, inc. leads (LxW)"
  rect 2.4x3.3 smd: 1(-3.475,0) 2(3.475,0)
  silkscreen extent -5.07,-2.05 5.43,2.05
SO-8 [mm]
  rect 0.6x2.2 smd: 1(-1.905,-2.6) 2(-0.635,-2.6) 3(0.635,-2.6) 4(1.905,-2.6) 5(1.905,2.6) 6(0.635,2.6) 7(-0.635,2.6) 8(-1.905,2.6)
  silkscreen extent -2.5,-1.1 2.5,1.1
SOD-123 [mm]
  rect 0.8x1.2 smd: 1(1.905,0) 2(-1.905,0)
  silkscreen extent -1.14,-0.89 1.14,0.89
SOIC8-PAD [mm] "SOIC, 8-Leads, Body 4.90x3.90mm, Pitch 1.27mm, IPC Medium Density"
  rect 2x0.6 smd: 1(-2.75,1.905)
  oval 2x0.6 smd: 2(-2.75,0.635) 3(-2.75,-0.635) 4(-2.75,-1.905) 5(2.75,-1.905) 6(2.75,-0.635) 7(2.75,0.635) 8(2.75,1.905)
  rect 2.4x3.3 smd: 9(0,0)
  silkscreen extent -1.25,-2.5 1.25,2.5
SOIC16 [mm] "SOIC, 16-Leads, Body 10.30x7.50mm, Pitch 1.27mm, IPC Medium Density"
  oval 2.3x0.6 smd: 1(-4.55,4.445) 2(-4.55,3.175) 3(-4.55,1.905) 4(-4.55,0.635) 5(-4.55,-0.635) 6(-4.55,-1.905) 7(-4.55,-3.175) 8(-4.55,-4.445) 9(4.55,-4.445) 10(4.55,-3.175) 11(4.55,-1.905) 12(4.55,-0.635) 13(4.55,0.635) 14(4.55,1.905) 15(4.55,3.175) 16(4.55,4.445)
  silkscreen extent -3,-5.25 3,5.25
SOP-4 [mm]
  oct 2x1 smd: 1(0,0)
  rect 2x1 smd: 2(0,-2.5) 3(5,-2.5) 4(5,0)
  silkscreen extent -0.5,-3.5 5,1.5
SOT-23 [mil]
  rect 40x40 smd: 1(-40,-40) 2(40,-40)
  rect 40x50 smd: 3(0,40)
  silkscreen extent -60,-40 60,65
SOT-23-5 [mil]
  rect 50x20 smd: 1(0,0) 2(0,-37.4) 3(0,-74.8) 4(100,-74.8) 5(100,0)
  silkscreen extent 0,-99 80,35
SOT-223 [mm]
  rect 0.95x2.15 smd: 1(-2.3,-2.9) 2(0,-2.9) 3(2.3,-2.9)
  rect 3.25x2.15 smd: 4(0,2.9)
  silkscreen extent -3.25,-1.5 3.25,1.5, body extent -3.22,-3.45 3.28,3.55, height 1.87
TO-252AA(D-PAK) [mm]
  rect 1x2 smd: 1(0,0) 2(4.58,0)
  rect 5x6.5 smd: 3(2.29,6.1)
TSOP48 [mm]
  rect 2x0.25 smd: 1(0,0) 2(0,-0.5) 3(0,-1) 4(0,-1.5) 5(0,-2) 6(0,-2.5) 7(0,-3) 8(0,-3.5) 9(0,-4) 10(0,-4.5) 11(0,-5) 12(0,-5.5) 13(0,-6) 14(0,-6.5) 15(0,-7) 16(0,-7.5) 17(0,-8) 18(0,-8.5) 19(0,-9) 20(0,-9.5) 21(0,-10) 22(0,-10.5) 23(0,-11) 24(0,-11.5) 25(20,-11.5) 26(20,-11) 27(20,-10.5) 28(20,-10) 29(20,-9.5) 30(20,-9) 31(20,-8.5) 32(20,-8) 33(20,-7.5) 34(20,-7) 35(20,-6.5) 36(20,-6) 37(20,-5.5) 38(20,-5) 39(20,-4.5) 40(20,-4) 41(20,-3.5) 42(20,-3) 43(20,-2.5) 44(20,-2) 45(20,-1.5) 46(20,-1) 47(20,-0.5) 48(20,0)
  silkscreen extent 1.83,-11.75 18.17,0.25
TSOP54 [mm]
  rect 2x0.4 smd: 1(0,0) 2(0,-0.8) 3(0,-1.6) 4(0,-2.4) 5(0,-3.2) 6(0,-4) 7(0,-4.8) 8(0,-5.6) 9(0,-6.4) 10(0,-7.2) 11(0,-8) 12(0,-8.8) 13(0,-9.6) 14(0,-10.4) 15(0,-11.2) 16(0,-12) 17(0,-12.8) 18(0,-13.6) 19(0,-14.4) 20(0,-15.2) 21(0,-16) 22(0,-16.8) 23(0,-17.6) 24(0,-18.4) 25(0,-19.2) 26(0,-20) 27(0,-20.8) 28(12,-20.8) 29(12,-20) 30(12,-19.2) 31(12,-18.4) 32(12,-17.6) 33(12,-16.8) 34(12,-16) 35(12,-15.2) 36(12,-14.4) 37(12,-13.6) 38(12,-12.8) 39(12,-12) 40(12,-11.2) 41(12,-10.4) 42(12,-9.6) 43(12,-8.8) 44(12,-8) 45(12,-7.2) 46(12,-6.4) 47(12,-5.6) 48(12,-4.8) 49(12,-4) 50(12,-3.2) 51(12,-2.4) 52(12,-1.6) 53(12,-0.8) 54(12,0)
  silkscreen extent 1.83,-21.2 10.16,0.4
USB2.5-2H4D [mm] "USB1.1, Type B_方口插座"
  rect 1.6x1.6 hole 0.92: 1(-1,1.25)
  round 1.6 hole 0.92: 2(-1,-1.25) 3(1,-1.25) 4(1,1.25)
  round 3.8 hole 2.3: 5(3.71,6.02) 6(3.71,-6.02)
  silkscreen extent -3.18,-6.02 13.99,6.02, body extent -2.41,-6.02 13.99,6.02, height 11.1
X-HC49-SMT [mm] "贴片晶振"
  oval 4x1.5 smd: 1(0,0) 2(10,0)
  silkscreen extent -1.2,-2.3 11.1,2.2, body extent -1.2,-2.3 11.1,2.2, height 5.18
XTAL3225 [mm]
  rect 1.3x1.05 smd: 1(0,0) 2(2.3,0) 3(2.3,1.85) 4(0,1.85)
  silkscreen extent -1.14,-0.33 2.74,2.17
传感器接口 [mm]
  rect 0.7x6.5 smd: 1(3.81,2.3) 2(1.27,2.3) 3(-1.27,2.3) 4(-3.81,2.3)
  rect 1.5x2 smd: 5(-6.553,-0.5) 5(6.553,-0.5)
  silkscreen extent -7.5,-3 7.5,3

## Part data
C01 C1 C2 C3 C4 C5 C6 C8 C9 C10 C11 C12 C13 C14 C15 C16 C17 C18 C24 C25 C33 C34 C35 C36 C37 C38 C39 C40 C48 C49 C50 C51 C52 C62 C63 C64 C65 C66 C67 C68 C69 C72 C74 C84 C85 C86 C87 C88 C89 C92 C93 C94 C95 C97 C99 C100 C107 C118: library part Cap, "Capacitor"
C7 R01 R1 R2 R3 R4 R5 R7 R8 R9 R10 R11 R12 R13 R14 R15 R30 R33 R38 R41 R42 R44 R45 R61 R62 R65 R66 R67 R100: library part Res2, "Resistor"
C19 C20 C21 C22 C23 C26 C27 C28 C29 C30 C31 C32 C42 C43 C44 C45 C46 C47 C53 C54 C55 C56 C57 C58 C59 C60 C61 C70 C71 C110 C117: library part C, "电容"
C41: library part "C Pol"
C75: library part C0603-1μ0, "Capacitor, X7R, ±10%"
C76 C77 C80 C81: library part C0402-12p, "Capacitor, NP0, ±2%"
C78 C82 C96: library part C0402-100n, "Capacitor, X7R, ±10%"
C79: library part C0603-4μ7, "Capacitor, X5R, ±10%"
C83: library part C0402-100p, "Capacitor, NP0, ±5%"
C90 C91: library part C0402-0.8p, "Capacitor, NP0, ±5%"
C98: library part "Cap Pol2", "Polarized Capacitor (Axial)"
C101: library part CAP
C102: library part C
C116: library part C, "无极性贴片电容"
D1 D8 D20: library part Diode, "Default Diode"
D3: library part "Diode 10TQ035", "Schottky Rectifier"
D4: library part "D Schottky", "Schottky Diode"
D6 D7: library part LED3, "Typical BLUE SiC LED"
D9 D15: library part "Diode 1N5400", "3 Amp General Purpose Rectifier"
D10: library part ZMM3V6, "ZMM3V6封装为LL34"
D11 D12: "双肖特基二极管"
D14: library part ZMM3V6, "ZMM3V6"
E1: "Generic Antenna"
J1: library part AT070TN92, "7' TFTLCD"
J2: library part USB4
J3: library part HEADER30
J4: "Header, 4-Pin"
J5 J6: library part "Header 6", "Header, 6-Pin"
J7 J8: "Header, 2-Pin"
J10: "Header, 7-Pin"
J11: library part "Header 4", "Header, 4-Pin"
L1 L2: library part Inductor, "Inductor"
L3: library part L0402-15n, "High frequency chip inductor ±10%"
L5: library part L0603-10μ, "Chip inductor, IDC,min = 50 mA, ±20%"
L6: library part L0402-3n9, "High frequency chip inductor ±5%"
P1 P2 P3: library part "Header 3_1", "Header, 3-Pin"
Q1: library part MOSFET-N, "N-Channel MOSFET"
Q2 Q3: "NPN General Purpose Amplifier"
Q4: library part MOSFET-P, "P-Channel MOSFET"
R6 R16 R17 R18 R19 R20 R21 R22 R23 R24 R25 R26 R27 R28 R29 R31 R32 R34 R35 R36 R37 R39 R40 R43 R46 R47 R48 R49 R50 R51 R52 R53 R55 R56 R57 R58 R59 R60 R63 R64 R68 R69 R70 R71 R74 R75: "Resistor"
R54 R73 R200: library part R
R81 R82: library part R, "贴片电阻"
RJ1 SENS1: library part SIP5
RP1 RP2 RP3 RP4 RP5 RP6 RP7: library part R_PACK, "排阻"
S1 S2: "Switch"
SWD1 UART1: library part CON4, "Connector"
U4: library part K9F2G08U0C, "256MB NAND FLASH"
U5: library part IS42S16160B, "32MB SDRAM"
U7: library part LAN8720
U8: library part MP3302, "LCD背光IC"
U8: library part 11
U9: library part nRF52832_QFAA, "Multi-protocol Bluetooth Low Energy, ANT and 2.4GHz proprietary system-on-chip"
U10: "CAN总线收发器"
U11: "DC DC Step Up IC"
X1: library part XTAL_SMD2016_32MHz_8pF_General, "XTAL SMD 2016, 32MHz, Cl=8pF, Total Tol: ±40ppm"
X2: library part XTAL_SMD3215_32.768kHz_9pF_General, "XTAL SMD 3215, 32.768kHz, Cl=9pF, Total Tol: ±50ppm"
Y1 Y3: library part XTAL, "Crystal Oscillator"
Y2: library part XTAL_3225, "3225贴片无源晶振"

## Free pads (board coordinates)
  round 1 on Top Solder: 1(-82.05,75.725)

## Via types
v1: diameter 0.45, hole 0.2, Top Layer to Bottom Layer, 216 vias
v2: diameter 0.5, hole 0.3, Top Layer to Bottom Layer, 36 vias
v3: diameter 0.6, hole 0.6, Top Layer to Bottom Layer, 9 vias
v4: diameter 1, hole 0.5, Top Layer to Bottom Layer, 6 vias
v5: diameter 0.6, hole 0.3, Top Layer to Bottom Layer, 2 vias